# Altium PCB MainPCB.PcbDoc (part 1 of 3) (continued)
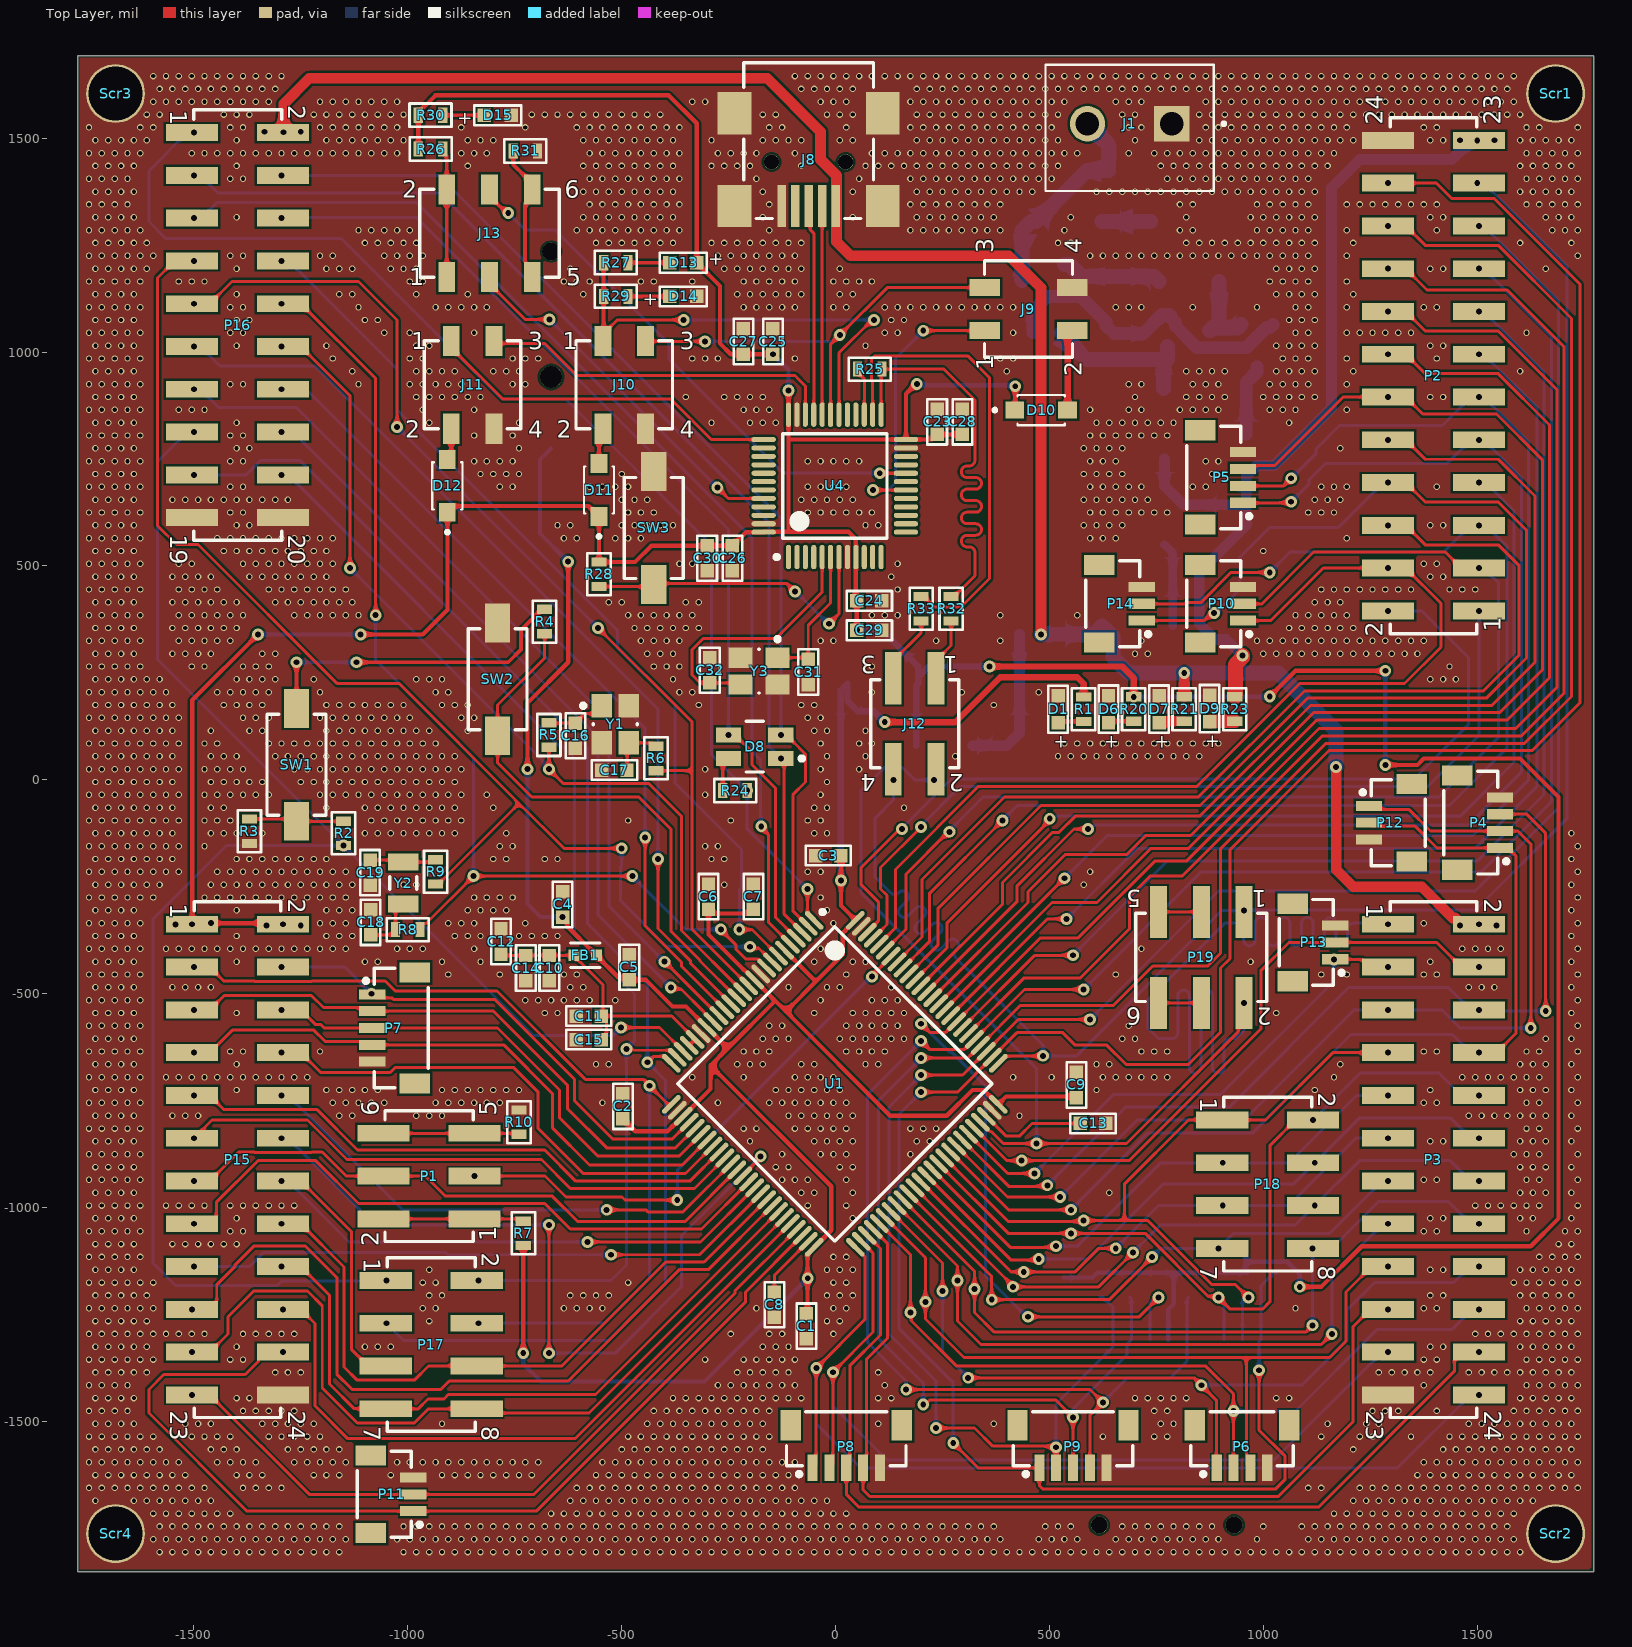
[diagram p0: Top Layer view]
## Components (designator, comment, footprint, x,y, rotation, side; value= is the part's Value field where it differs from the comment)
C1 "0106031010550" CAP_0603 -65,-1275 r90 top value=100pF
C2 "0106031010550" CAP_0603 -500,-765 r270 top value=100pF
C3 "0106031010550" CAP_0603 -15,-180 r0 top value=100pF
C4 "0106034751010" CAP_0603 -641,-293.06 r270 top value=4.7µF
C5 "0106031010550" CAP_0603 -485,-440 r270 top value=100pF
C6 "0106031010550" CAP_0603 -300,-275 r270 top value=100pF
C7 "0106031010550" CAP_0603 -195,-275 r270 top value=100pF
C8 "0106032251010" CAP_0603 -140,-1225 r90 top value=2.2µF
C9 "0106031030550" CAP_0603 560,-715 r270 top value=10nF
C10 "0106031030550" CAP_0603 -666,-438.06 r90 top value=10nF
C11 "0106031051035" CAP_0603 -575,-555 r0 top value=1µF
C12 "0106031010550" CAP_0603 -785,-380 r270 top value=100pF
C13 "0106032251010" CAP_0603 600,-800 r180 top value=2.2µF
C14 "0106031051035" CAP_0603 -721,-438.06 r90 top value=1µF
C15 "0106031010550" CAP_0603 -575,-610 r0 top value=100pF
C16 "0106031000550" CAP_0603 -605,105 r90 top value=20pF
C17 "0106031000550" CAP_0603 -515,20 r0 top value=20pF
C18 "0106031000550" CAP_0603 -1090,-335 r270 top value=6.8pF
C19 "0106031000550" CAP_0603 -1085,-215 r90 top value=6.8pF
C20 "0108051041050" CAP_0805 675,1425 r180 bottom value=100nF
C21 "0106031061010" CAP_0603 529.88,-1190.55 r90 bottom value=10µF
C22 "0106031010550" CAP_0603 985,-1098.27 r180 bottom value=100pF
C23 "0106031061010" CAP_0603 234.45,834.84 r270 top value=10µF
C24 "0106031041050" CAP_0603 76.97,421.46 r180 top value=100nF
C25 "0106031061010" CAP_0603 -149.41,1022.48 r270 top value=10µF
C26 "0106031041050" CAP_0603 -237.99,519.88 r90 top value=100nF
C27 "0106031061010" CAP_0603 -218.31,1022.48 r270 top value=10µF
C28 "0106031041050" CAP_0603 293.5,834.84 r270 top value=100nF
C29 "0106031051016" CAP_0603 76.97,352.56 r180 top value=1µF
C30 "0106031030550" CAP_0603 -297.05,519.88 r90 top value=10nF
C31 "0106031000550" CAP_0603 -60.83,254.13 r90 top value=10pF
C32 "0106031000550" CAP_0603 -297.05,254.13 r270 top value=10pF
D1 "160603RedClear" WL-SMCW_0603_H=0.7mm 520,165 r270 top value="Red, 2V"
D2 "SMAJ18A" DIOM4325X250N 540,1305 r0 bottom
D3 "ZMM18" SOD-80_MiniMELF_Glass 660,1110 r90 bottom value=Shottky-Diode
D4 "SMAJ18A" DIOM4325X250N 820,1305 r180 bottom
D5 "ZMM18" SOD-80_MiniMELF_Glass 700,915 r180 bottom value=Shottky-Diode
D6 "160603RedClear" WL-SMCW_0603_H=0.7mm 637.99,165.55 r270 top value="Red, 2V"
D7 "160603RedClear" WL-SMCW_0603_H=0.7mm 756.1,165.55 r270 top value="Red, 2V"
D8 "CMP-1431-00001-2" WL-SFTW_3528_150141M173100 -50188.98,-49922.44 r180 top
D9 "160603RedClear" WL-SMCW_0603_H=0.7mm 874.21,166.81 r270 top value="Red, 2V"
D10 "1N5819W" 1N5819W 480.51,864.37 r0 top
D11 "1N5819W" 1N5819W -552.95,677.36 r90 top
D12 "1N5819W" 1N5819W -907.28,687.2 r90 top
D13 "160603BlueClear" WL-SMCW_0603_H=0.7mm -356.1,1208.86 r0 top value="Blue, 3.2V"
D14 "160603WhiteBlur" WL-SMCW_0603_H=0.7mm -356.1,1130.12 r180 top value=White
D15 "160603RedBlur" WL-SMCW_0603_H=0.7mm -789.17,1553.35 r180 top value="Red, 2V"
F1 "MF-MSMF110/16-2" Fuse_SMD_1812 960,725 r270 bottom value="16V, 1.1A"
F2 "MF-MSMF050-2" Fuse_SMD_1812 705,360 r180 bottom value="15V, 0.5A"
F3 "MF-NSMF035-2" Fuse_SMD_1206 255,80 r180 bottom value="6V, 0.35A"
F4 "MINISMDC020F" Fuse_SMD_1812 110,225 r180 bottom value="30V, 0.2A"
FB1 "120R , 0805" FP-BLM18-0_15-t0_8-MFG -585,-410 r180 top
J1 "KF301-2P" HANDSON_KF301-2P 687.2,1533.66 r180 top
J2 "S8411-45R" HARWIN_S8411-45R -665,1088.35 r180 bottom
J3 "61032421821" 61032421821 1397.64,944.88 r90 bottom
J4 "61032421821" 61032421821 1397.64,-887.6 r270 bottom
J5 "MSD-4-A" CUI_MSD-4-A 736.57,-1613.78 r180 bottom
J6 "61032421821" 61032421821 -1397.64,-887.6 r270 bottom
J7 "61032021821" 61032021821 -1397.64,1062.99 r270 bottom
J8 "65100516121" 65100516121 -62.99,1494.29 r180 top value="Mini USB 2.0 Type B"
J9 "FEMALE,SMT" 61000421821 450.98,1100.59 r90 top
J10 "FEMALE,SMT" 61000421821 -493.9,923.43 r0 top
J11 "FEMALE,SMT" 61000421821 -848.23,923.43 r0 top
J12 "61030421121" 61030421121 185,131.3 r180 top
J13 "FEMALE,SMT" 61030621821 -808.86,1277.76 r0 top
P1 "MALE,SMT" 61030621121 -950.2,-926.1 r90 top
P2 "61002421121" 61002421121 1397.64,944.88 r90 top
P3 "61002421121" 61002421121 1397.64,-887.6 r270 top
P4 "665304124022" 665304124022 1485,-100 r90 top value="1A, 125 V (AC)"
P5 "665304124022" 665304124022 884.06,706.89 r90 top value="1A, 125 V (AC)"
P6 "665304124022" 665304124022 950,-1540 r0 top value="1A, 125 V (AC)"
P7 "665305124022" 665305124022 -1015,-580 r270 top value="1A, 125 V (AC)"
P8 "665305124022" 665305124022 25,-1540 r0 top value="1A, 125 V (AC)"
P9 "665305124022" 665305124022 555,-1540 r0 top value="1A, 125 V (AC)"
P10 "665303124022" 665303124022 884.06,411.61 r90 top value="1A, 125 V (AC)"
P11 "665303124022" 665303124022 -1055,-1670 r90 top value="1A, 125 V (AC)"
P12 "665303124022" 665303124022 1315,-100 r270 top value="1A, 125 V (AC)"
P13 "665303124022" 665303124022 1100,-380 r90 top value="1A, 125 V (AC)"
P14 "665303124022" 665303124022 647.83,411.61 r90 top value="1A, 125 V (AC)"
P15 "61002421121" 61002421121 -1397.64,-887.6 r270 top
P16 "61032021121" 61032021121 -1397.64,1062.99 r270 top
P17 "61030821121" 61030821121 -945,-1320 r270 top
P18 "61030821121" 61030821121 1010,-945 r270 top
P19 "61030621121" 61030621121 855,-415 r180 top
Q1 "AO3407A" SOT95P280X125-3N 485.59,1167.4 r180 bottom
Q2 "AO3407A" SOT95P280X125-3N 985,1015 r270 bottom
Q3 "AO3407A" SOT95P280X125-3N 825,1050 r0 bottom
R1 "0006031221" resistor_0603 580,165 r90 top value="1.2 KOhm, 1/4 W"
R2 "0006030001" resistor_0603 -1150,-125 r90 top value="0 Ohm, 1/4 W"
R3 "0006031031" resistor_0603 -1370,-120 r90 top value="10 KOhm, 1/4 W"
R4 "0006031031" resistor_0603 -680,370 r90 top value="10 KOhm, 1/4 W"
R5 "0006030001" resistor_0603 -670,105 r90 top value="0 Ohm, 1/4 W"
R6 "0006030001" resistor_0603 -420,50 r270 top value="0 Ohm, 1/4 W"
R7 "0006031031" resistor_0603 -730,-1060 r270 top value="10 KOhm, 1/4 W"
R8 "0006030001" resistor_0603 -1000,-350 r180 top value="0 Ohm, 1/4 W"
R9 "0006030001" resistor_0603 -935,-215 r270 top value="0 Ohm, 1/4 W"
R10 "0006031031" resistor_0603 -740,-800 r270 top value="10 KOhm, 1/4 W"
R11 "0008051031" RESISTOR_0805 495,1045 r180 bottom value="10 KOhm, 1/8 W"
R12 "0008051031" RESISTOR_0805 790,1165 r180 bottom value="10 KOhm, 1/8 W"
R13 "0008051031" RESISTOR_0805 930,1165 r180 bottom value="10 KOhm, 1/8 W"
R14 "0006031031" resistor_0603 687.36,-1180.71 r90 bottom value="10 KOhm, 1/4 W"
R15 "0006031031" resistor_0603 618.46,-1180.71 r90 bottom value="10 KOhm, 1/4 W"
R16 "0006031031" resistor_0603 962.95,-1180.71 r90 bottom value="10 KOhm, 1/4 W"
R17 "0006031031" resistor_0603 894.06,-1180.71 r90 bottom value="10 KOhm, 1/4 W"
R18 "0006031031" resistor_0603 756.26,-1180.71 r90 bottom value="10 KOhm, 1/4 W"
R19 "0006031031" resistor_0603 825.16,-1180.71 r90 bottom value="10 KOhm, 1/4 W"
R20 "0006031221" resistor_0603 697.05,165.55 r90 top value="1.2 KOhm, 1/4 W"
R21 "0006031221" resistor_0603 815.16,165.55 r90 top value="1.2 KOhm, 1/4 W"
R22 "0006031031" resistor_0603 1031.85,-1180.71 r90 bottom value="10 KOhm, 1/4 W"
R23 "0006031221" resistor_0603 933.27,165.55 r90 top value="1.2 KOhm, 1/4 W"
R24 "0006031221" resistor_0603 -235,-25 r180 top value="1.2 KOhm, 1/4 W"
R25 "0006031011" resistor_0603 80,960 r180 top value="100 Ohm, 1/4 W"
R26 "0006031031" resistor_0603 -946.65,1474.61 r180 top value="10 KOhm, 1/4 W"
R27 "0006031021" resistor_0603 -513.58,1208.86 r0 top value="1 KOhm, 1/4 W"
R28 "0006031031" resistor_0603 -552.95,480.51 r90 top value="10 KOhm, 1/4 W"
R29 "0006031021" resistor_0603 -513.58,1130.12 r0 top value="1 KOhm, 1/4 W"
R30 "0006031021" resistor_0603 -946.65,1553.35 r0 top value="1 KOhm, 1/4 W"
R31 "0006031031" resistor_0603 -725,1470 r180 top value="10 KOhm, 1/4 W"
R32 "0006032001" resistor_0603 270,400 r270 top value="20 Ohm, 1/4 W"
R33 "0006032001" resistor_0603 200,400 r270 top value="20 Ohm, 1/4 W"
Scr1 "MP3.2" MP3.2 1683.07,1604.33 r0 top
Scr2 "MP3.2" MP3.2 1683.07,-1761.81 r0 top
Scr3 "MP3.2" MP3.2 -1683.07,1604.33 r0 top
Scr4 "MP3.2" MP3.2 -1683.07,-1761.81 r0 top
SW1 "434111050826" WS-TASV_L6W3.5H5_4341x10508x6 -1260,35 r90 top
SW2 "434111050826" WS-TASV_L6W3.5H5_4341x10508x6 -790,235 r270 top
SW3 "434111050826" WS-TASV_L6W3.5H5_4341x10508x6 -425,588.78 r270 top
U1 "STM32F407VxTx" STM32F407VGTx -1.77,-710.43 r315 top value=STM32F407VGTx
U2 "L7805ACD2T_TO-263" TO-263 505,650 r180 bottom value="5V, 1.5A"
U3 "AMS1117-3.3V" "AMS1117-3.3V SOT223" 430,225 r270 bottom value="3.3V, 1A"
U4 "STM32F103C8T6" STM32F103C8T6 -1.77,687.2 r90 top
Y1 "25Mhz, 3225" FP-NX3225SA-MFG -515,130 r270 top
Y2 "32.7680Khz , 3215" FP-FC-135-MFG -1010.59,-241.26 r90 top
Y3 "8Mhz, 3225" FP-NX3225SA-MFG -178.94,254.13 r180 top

## Footprints (in the part's own frame and the unit in brackets; to place one, negate y for a bottom-side part, rotate by r counter-clockwise, add the part's x,y. Pads: shape width x height; smd on the part's side, far side on the other; paste and mask are expansions set on the pad)
1N5819W [mm]
  rect 1.12x0.99 smd: A(1.57,0) K(-1.57,0)
  silkscreen extent -2.85,-0.9 1.4,0.9, body extent -1.8,-0.9 1.8,0.9, height 1.1
61000421821 [mm] "Socket Header, Pitch 2.54 mm, SMT, Vertical, dual row, 4p"
  rect 1x1.8 smd: 1(-1.27,2.6) 2(-1.27,-2.6) 3(1.27,2.6) 4(1.27,-2.6)
  silkscreen extent -2.87,-2.62 2.87,2.62, body extent -2.54,-3.35 2.54,3.35, height 8.5
61002421121 [mm] "Pin Header, pitch 2.54 mm, SMD, Vertical, dual row, 24p"
  rect 1x3.1 smd: 1(-13.97,-2.7) 2(-13.97,2.7) 3(-11.43,-2.7) 4(-11.43,2.7) 5(-8.89,-2.7) 6(-8.89,2.7) 7(-6.35,-2.7) 8(-6.35,2.7) 9(-3.81,-2.7) 10(-3.81,2.7) 11(-1.27,-2.7) 12(-1.27,2.7) 13(1.27,-2.7) 14(1.27,2.7) 15(3.81,-2.7) 16(3.81,2.7) 17(6.35,-2.7) 18(6.35,2.7) 19(8.89,-2.7) 20(8.89,2.7) 21(11.43,-2.7) 22(11.43,2.7) 23(13.97,-2.7) 24(13.97,2.7)
  silkscreen extent -15.32,-2.56 15.32,2.57, body extent -15.24,-3.75 15.24,3.75, height 9.62
61030421121 [mm] "Pin Header, pitch 2.54 mm, SMD, Vertical, dual row, 4p"
  rect 1x3.1 smd: 1(-1.27,-2.7) 2(-1.27,2.7) 3(1.27,-2.7) 4(1.27,2.7)
  silkscreen extent -2.62,-2.62 2.62,2.62, body extent -2.54,-3.75 2.54,3.75, height 9.62
61030621121 [mm] "Pin Header, pitch 2.54 mm, SMD, Vertical, dual row, 6p"
  rect 1x3.1 smd: 1(-2.54,-2.7) 2(-2.54,2.7) 3(0,-2.7) 4(0,2.7) 5(2.54,-2.7) 6(2.54,2.7)
  silkscreen extent -3.89,-2.62 3.89,2.62, body extent -3.81,-3.75 3.81,3.75, height 9.62
61030621821 [mm] "Socket Header, Pitch 2.54 mm, SMT, Vertical, dual row, 6p"
  rect 1x1.8 smd: 1(-2.54,-2.6) 2(-2.54,2.6) 3(0,-2.6) 4(0,2.6) 5(2.54,-2.6) 6(2.54,2.6)
  silkscreen extent -4.14,-2.62 4.14,2.62, body extent -3.81,-3.35 3.81,3.35, height 8.52
61030821121 [mm] "Pin Header, pitch 2.54 mm, SMD, Vertical, dual row, 8p"
  rect 1x3.1 smd: 1(-3.81,-2.7) 2(-3.81,2.7) 3(-1.27,-2.7) 4(-1.27,2.7) 5(1.27,-2.7) 6(1.27,2.7) 7(3.81,-2.7) 8(3.81,2.7)
  silkscreen extent -5.16,-2.62 5.16,2.62, body extent -5.08,-3.75 5.08,3.75, height 9.62
61032021121 [mm] "Pin Header, pitch 2.54 mm, SMD, Vertical, dual row, 20p"
  rect 1x3.1 smd: 1(-11.43,-2.7) 2(-11.43,2.7) 3(-8.89,-2.7) 4(-8.89,2.7) 5(-6.35,-2.7) 6(-6.35,2.7) 7(-3.81,-2.7) 8(-3.81,2.7) 9(-1.27,-2.7) 10(-1.27,2.7) 11(1.27,-2.7) 12(1.27,2.7) 13(3.81,-2.7) 14(3.81,2.7) 15(6.35,-2.7) 16(6.35,2.7) 17(8.89,-2.7) 18(8.89,2.7) 19(11.43,-2.7) 20(11.43,2.7)
  silkscreen extent -12.78,-2.62 12.78,2.62, body extent -12.7,-3.75 12.7,3.75, height 9.62
61032021821 [mm] "Socket Header, Pitch 2.54 mm, SMT, Vertical, dual row, 20p"
  rect 1x1.8 smd: 1(-11.43,-2.6) 2(-11.43,2.6) 3(-8.89,-2.6) 4(-8.89,2.6) 5(-6.35,-2.6) 6(-6.35,2.6) 7(-3.81,-2.6) 8(-3.81,2.6) 9(-1.27,-2.6) 10(-1.27,2.6) 11(1.27,-2.6) 12(1.27,2.6) 13(3.81,-2.6) 14(3.81,2.6) 15(6.35,-2.6) 16(6.35,2.6) 17(8.89,-2.6) 18(8.89,2.6) 19(11.43,-2.6) 20(11.43,2.6)
  silkscreen extent -13.03,-2.62 13.03,2.62, body extent -12.7,-3.35 12.7,3.35, height 8.52
61032421821 [mm] "Socket Header, Pitch 2.54 mm, SMT, Vertical, dual row, 24p"
  rect 1x1.8 smd: 1(-13.97,-2.6) 2(-13.97,2.6) 3(-11.43,-2.6) 4(-11.43,2.6) 5(-8.89,-2.6) 6(-8.89,2.6) 7(-6.35,-2.6) 8(-6.35,2.6) 9(-3.81,-2.6) 10(-3.81,2.6) 11(-1.27,-2.6) 12(-1.27,2.6) 13(1.27,-2.6) 14(1.27,2.6) 15(3.81,-2.6) 16(3.81,2.6) 17(6.35,-2.6) 18(6.35,2.6) 19(8.89,-2.6) 20(8.89,2.6) 21(11.43,-2.6) 22(11.43,2.6) 23(13.97,-2.6) 24(13.97,2.6)
  silkscreen extent -15.57,-2.62 15.57,2.62, body extent -15.24,-3.35 15.24,3.35, height 8.52
65100516121 [mm] "Mini USB 2.0 Type B SMT Horizontal 5 Contacts"
  rect 0.5x2.5 smd: 1(-1.6,3.875) 2(-0.8,3.875) 3(0,3.875) 4(0.8,3.875) 5(1.6,3.875)
  round 0.9 hole 0.9 unplated: MH1(-2.2,1.275) MH2(2.2,1.275)
  rect 2x2.5 smd: Shell(-4.4,3.875) Shell(-4.4,-1.625) Shell(4.4,3.875) Shell(4.4,-1.625)
  silkscreen extent -3.85,-4.62 3.85,4.62, body extent -4.8,-4.62 4.8,4.63, height 3.92
665303124022 [mm] "1.00 mm SMT Male Vertical Shrouded Header, 3p"
  rect 0.6x1.55 smd: 1(-1,-1.725) 2(0,-1.725) 3(1,-1.725)
  rect 1.2x1.8 smd: MP1(-2.3,0.8) MP2(2.3,0.8)
  silkscreen extent -2.55,-2.23 2.55,1.6, body extent -2.5,-2.19 2.5,1.77, height 4.79
665304124022 [mm] "1.00 mm SMT Male Vertical Shrouded Header, 4p"
  rect 0.6x1.55 smd: 1(-1.5,-1.725) 2(-0.5,-1.725) 3(0.5,-1.725) 4(1.5,-1.725)
  rect 1.2x1.8 smd: MP1(-2.8,0.8) MP2(2.8,0.8)
  silkscreen extent -3.05,-2.23 3.05,1.6, body extent -3,-2.19 3,1.77, height 4.79
665305124022 [mm] "1.00 mm SMT Male Vertical Shrouded Header, 5p"
  rect 0.6x1.55 smd: 1(-2,-1.725) 2(-1,-1.725) 3(0,-1.725) 4(1,-1.725) 5(2,-1.725)
  rect 1.2x1.8 smd: MP1(-3.3,0.8) MP2(3.3,0.8)
  silkscreen extent -3.55,-2.22 3.55,1.6, body extent -3.5,-2.19 3.5,1.77, height 4.79
"AMS1117-3.3V SOT223" [mm] "SOT223, 4-Leads, Body 6.51x7.00mm, Pitch 2.29mm"
  rect 2.15x0.9 smd: 1(-2.93,2.29) 2(-2.93,0) 3(-2.93,-2.29)
  rect 2.15x3.25 smd: 4(2.93,0)
  silkscreen extent -3.05,-3.35 1.55,3.41, body extent -3.5,-3.35 3.5,3.35, height 1.8
CAP_0603 [mm]
  rect 0.8x0.8 smd: 1(-0.801,0.076) 2(0.699,0.076)
  silkscreen extent -1.4,-0.51 1.3,0.66, body extent -0.85,-0.32 0.75,0.48, height 0.8
CAP_0805 [mm]
  rect 0.9x1.3 smd: 1(-0.975,-0.025) 2(0.925,-0.025)
  silkscreen extent -1.63,-0.86 1.57,0.81, body extent -1.03,-0.65 0.97,0.6, height 0.6
CUI_MSD-4-A [mm]
  rect 0.7x1.6 smd: 1(2.25,7.75) 2(1.15,7.75) 3(0.05,7.75) 4(-1.05,7.75) 5(-2.15,7.75) 6(-3.25,7.75) 7(-4.35,7.75) 8(-5.45,7.75) CD(-6.55,7.75)
  rect 1.2x1.8 smd: G1(-7.75,6.45)
  rect 1.6x1.5 smd: G2(6.85,6.7)
  rect 1.2x2.2 smd: G3(-7.75,-2.85) G4(7.75,-2.85)
  round 1 hole 1 unplated: ""(-4.95,-3.25) ""(3.05,-3.25)
  silkscreen extent -7.37,-7.25 7.37,9.2, body extent -8.25,-7.62 7.9,7.43, height 1.8
DIOM4325X250N [mm]
  rect 2.12x1.5 smd: A(2.115,0) C(-2.115,0)
  silkscreen extent -4,-1.28 2.16,1.28, body extent -2.57,-1.28 2.57,1.28, height 2.5
FP-BLM18-0_15-t0_8-MFG [mm]
  rect 0.65x0.7 smd paste+0 mask+0: 1(-0.675,0) 2(0.675,0)
  silkscreen extent -0.87,-0.72 0.87,0.72, body extent -1.1,-0.58 1.1,0.58, height 0.25
FP-FC-135-MFG [mm]
  rect 1x1.8 smd paste+0 mask+0: 1(-1.25,0) 2(1.25,0)
  silkscreen extent -0.38,-0.8 0.38,0.8, body extent -1.85,-1 1.85,1, height 0.25
FP-NX3225SA-MFG [mm]
  rect 1.4x1.2 smd paste+0 mask+0: 1(-1.1,-0.8) 2(1.1,-0.8) 3(1.1,0.8) 4(-1.1,0.8)
  silkscreen extent -1.22,-2.02 0.03,1.3, body extent -1.9,-1.5 1.9,1.5, height 0.25
Fuse_SMD_1206 [mil] "Fuse SMD, size 1206"
  rect 20x80 smd: 0(-66,0) 1(66,0)
  silkscreen extent -85,-44 84,44, body extent -69,-36 69,36, height 20
Fuse_SMD_1812 [mil] "Fuse SMD, size 1812"
  rect 60x140 smd: 0(-83.41,0) 1(82,0)
  silkscreen extent -122,-78 121,79, body extent -93,-67 93,67, height 18
HANDSON_KF301-2P [mm]
  rect 2.1x2.1 hole 1.4: 1(-2.5,0)
  round 2.1 hole 1.4: 2(2.5,0)
  silkscreen extent -5.7,-3.5 5,4, body extent -5.6,-3.37 5,4.13, height 10.13
HARWIN_S8411-45R [mm]
  rect 2.3x4.5 smd: N(0,8.425) P(0,-7.975)
  round 1.3 hole 1.3 unplated: ""(0,-3.725)
  round 1.05 hole 1.05 unplated: ""(0,3.725)
  silkscreen extent -7.37,-10 7.37,6.96, body extent -7.37,-9.6 7.37,9.6, height 4.25
MP3.2 [mm]
  round 3.5 hole 3.2: 1(0,0)
  body extent -2.75,-2.75 2.74,2.75, height 2.98
resistor_0603 [mm]
  rect 0.55x0.9 smd: 1(-0.725,0) 2(0.725,0)
  silkscreen extent -1.25,-0.69 1.24,0.7, body extent -0.8,-0.45 0.8,0.45, height 0.5
RESISTOR_0805 [mm] "Chip Resistor, 2-Leads, Body 2,00x1,20mm, IPC Medium Density"
  rect 1.1x1.3 smd: 1(-0.85,0) 2(0.85,0)
  silkscreen extent -1.65,-0.9 1.65,0.9, body extent -1,-0.65 1,0.65, height 0.45
SOD-80_MiniMELF_Glass [mm]
  rrect25% 1.2x1.7 smd: A(1.7,0) K(-1.7,0)
  silkscreen extent -2.65,-1.2 2,1.2, body extent -1.76,-0.72 1.74,0.72, height 1.45
SOT95P280X125-3N [mm]
  rrect25% 1.21x0.59 smd: 1(-1.255,0.95) 2(-1.255,-0.95) 3(1.255,0)
  silkscreen extent -2.6,-1.56 0.9,1.56, body extent -1.4,-1.45 1.4,1.45, height 1.25
STM32F103C8T6 [mm] "TSQFP, 48-Leads, Body 7.00x7.00mm, Pitch 0.50mm, IPC Medium Density"
  oval 1.45x0.3 smd: 1(-4.225,2.75) 2(-4.225,2.25) 3(-4.225,1.75) 4(-4.225,1.25) 5(-4.225,0.75) 6(-4.225,0.25) 7(-4.225,-0.25) 8(-4.225,-0.75) 9(-4.225,-1.25) 10(-4.225,-1.75) 11(-4.225,-2.25) 12(-4.225,-2.75) 25(4.225,-2.75) 26(4.225,-2.25) 27(4.225,-1.75) 28(4.225,-1.25) 29(4.225,-0.75) 30(4.225,-0.25) 31(4.225,0.25) 32(4.225,0.75) 33(4.225,1.25) 34(4.225,1.75) 35(4.225,2.25) 36(4.225,2.75)
  oval 0.3x1.45 smd: 13(-2.75,-4.225) 14(-2.25,-4.225) 15(-1.75,-4.225) 16(-1.25,-4.225) 17(-0.75,-4.225) 18(-0.25,-4.225) 19(0.25,-4.225) 20(0.75,-4.225) 21(1.25,-4.225) 22(1.75,-4.225) 23(2.25,-4.225) 24(2.75,-4.225) 37(2.75,4.225) 38(2.25,4.225) 39(1.75,4.225) 40(1.25,4.225) 41(0.75,4.225) 42(0.25,4.225) 43(-0.25,4.225) 44(-0.75,4.225) 45(-1.25,4.225) 46(-1.75,4.225) 47(-2.25,4.225) 48(-2.75,4.225)
  silkscreen extent -4.35,-3.1 3.1,3.57, body extent -4.5,-4.5 4.5,4.5, height 1.6
STM32F407VGTx [mm] "TSQFP, 100-Leads, Body 14.00x14.00mm, Pitch 0.50mm, IPC Medium Density"
  oval 1.45x0.3 smd: 1(-7.725,6) 2(-7.725,5.5) 3(-7.725,5) 4(-7.725,4.5) 5(-7.725,4) 6(-7.725,3.5) 7(-7.725,3) 8(-7.725,2.5) 9(-7.725,2) 10(-7.725,1.5) 11(-7.725,1) 12(-7.725,0.5) 13(-7.725,0) 14(-7.725,-0.5) 15(-7.725,-1) 16(-7.725,-1.5) 17(-7.725,-2) 18(-7.725,-2.5) 19(-7.725,-3) 20(-7.725,-3.5) 21(-7.725,-4) 22(-7.725,-4.5) 23(-7.725,-5) 24(-7.725,-5.5) 25(-7.725,-6) 51(7.725,-6) 52(7.725,-5.5) 53(7.725,-5) 54(7.725,-4.5) 55(7.725,-4) 56(7.725,-3.5) 57(7.725,-3) 58(7.725,-2.5) 59(7.725,-2) 60(7.725,-1.5) 61(7.725,-1) 62(7.725,-0.5) 63(7.725,0) 64(7.725,0.5) 65(7.725,1) 66(7.725,1.5) 67(7.725,2) 68(7.725,2.5) 69(7.725,3) 70(7.725,3.5) 71(7.725,4) 72(7.725,4.5) 73(7.725,5) 74(7.725,5.5) 75(7.725,6)
  oval 0.3x1.45 smd: 26(-6,-7.725) 27(-5.5,-7.725) 28(-5,-7.725) 29(-4.5,-7.725) 30(-4,-7.725) 31(-3.5,-7.725) 32(-3,-7.725) 33(-2.5,-7.725) 34(-2,-7.725) 35(-1.5,-7.725) 36(-1,-7.725) 37(-0.5,-7.725) 38(0,-7.725) 39(0.5,-7.725) 40(1,-7.725) 41(1.5,-7.725) 42(2,-7.725) 43(2.5,-7.725) 44(3,-7.725) 45(3.5,-7.725) 46(4,-7.725) 47(4.5,-7.725) 48(5,-7.725) 49(5.5,-7.725) 50(6,-7.725) 76(6,7.725) 77(5.5,7.725) 78(5,7.725) 79(4.5,7.725) 80(4,7.725) 81(3.5,7.725) 82(3,7.725) 83(2.5,7.725) 84(2,7.725) 85(1.5,7.725) 86(1,7.725) 87(0.5,7.725) 88(0,7.725) 89(-0.5,7.725) 90(-1,7.725) 91(-1.5,7.725) 92(-2,7.725) 93(-2.5,7.725) 94(-3,7.725) 95(-3.5,7.725) 96(-4,7.725) 97(-4.5,7.725) 98(-5,7.725) 99(-5.5,7.725) 100(-6,7.725)
  silkscreen extent -7.85,-6.6 6.6,6.82, body extent -8,-8 8,8, height 1.6
TO-263 [mm] "D2PAK"
  rect 3.5x1.6 smd: 1(-6.7,2.54) 2(-6.7,-2.54)
  rect 9.75x12.2 smd paste-7: 3(3.575,0)
  silkscreen extent -6.48,-5 -2.51,5, body extent -7.71,-5.1 7.71,5.1, height 4.6
WL-SFTW_3528_150141M173100 [mm] "SMT Full-color TOP LED Waterclear, body 3.5x2.8mm"
  rect 1.5x0.9 smd: 1(-1268.45,-1269.3) 2(-1268.45,-1270.7) 3(-1271.55,-1269.3) 4(-1271.55,-1270.7)
  silkscreen extent -1272.93,-1271.5 -1269.5,-1268.5, body extent -1271.75,-1271.4 -1268.25,-1268.6, height 1.9
WL-SMCW_0603_H=0.7mm [mm] "SMD Mono-color Chip LED, body 1.6x0.8mm"
  rect 0.8x0.8 smd: 1(-0.8,0) 2(0.8,0)
  silkscreen extent -1.4,-0.58 1.4,0.58, body extent -0.8,-0.4 0.8,0.4, height 0.7
WS-TASV_L6W3.5H5_4341x10508x6 [mm] "SMD Tact Switch, body 6x3.5mm"
  rect 2.3x1.5 smd: 1(-3.35,0) 2(3.35,0)
  silkscreen extent -3,-1.75 3,1.75, body extent -4,-1.75 4,1.75, height 5

## Part data
C1 C2 C3 C5 C6 C7 C12 C15 C22: library part CMP-001-00209-1, "CAP, size 0603, 100 pF, 50 VDC", Manufacture Name=TDK, Manufacture SN=CGA3E2C0G1H101J080AA, Operating Temperature="-55 to +125degC", Tolerance=5%, Voltage Rating DC="50 VDC", Component Type=Standard, Design Item ID=0106031010550, Mounting Technology=SMT, Packaging="Tape and Reel", Pins=2, Size=0603, Source=Capacitor_0603_5_percent.SchLib, Supplier 1 Name=Mouser, Supplier 1 SN=810-CGA3E2C0G1H101J, Supplier 1 URL=https://www.mouser.com/ProductDetail/TDK/CGA3E2C0G1H101J080AA?qs=FxQuwy19cyBF0gUakpLdHA%3D%3D&utm_source=mouser-refine-download&utm_medium=file&utm_campaign=CGA3E2C0G1H101J080AA&utm_content=TDK, Supplier 2 Name=Digi-Key, Supplier 2 SN=445-5640-2-ND, Supplier 2 URL=https://www.digikey.com/en/products/detail/tdk-corporation/cga3e2c0g1h101j080aa/2443118, Supplier 3 Name=thegioiic, Supplier 3 SN=N/A, Supplier 3 URL=N/A
C4: library part CMP-001-00249-1, "CAP, size 0603, 4.7 uF, 10 VDC", Manufacture Name="Samsung Electro-Mechanics", Manufacture SN=CL10A475KP8NNWC, Operating Temperature="-55 to +125degC", Tolerance=10%, Voltage Rating DC="10 VDC", Component Type=Standard, Design Item ID=0106034751010, Mounting Technology=SMT, Packaging="Tape and Reel", Pins=2, Size=0603, Source=Capacitor_0603_10_percent.SchLib, Supplier 1 Name=Mouser, Supplier 1 SN=187-CL10A475KP8NNWC, Supplier 1 URL=https://www.mouser.vn/ProductDetail/Samsung-Electro-Mechanics/CL10A475KP8NNWC?qs=81r%252BiQLm7BQyXBb52PEUBA%3D%3D&utm_source=mouser-refine-download&utm_medium=file&utm_campaign=CL10A475KP8NNWC&utm_content=Samsung-Electro-Mechanics, Supplier 2 Name=Digi-Key, Supplier 2 SN=1276-CL10A475KP8NNWCTR-ND, Supplier 2 URL=https://www.digikey.com/en/products/detail/samsung-electro-mechanics/cl10a475kp8nnwc/16572736, Supplier 3 Name=thegioiic, Supplier 3 SN=N/A, Supplier 3 URL=https://www.thegioiic.com/tu-gom-0603-4-7uf-25v
C8 C13: library part CMP-001-00232-1, "CAP, size 0603, 2.2 uF, 10 VDC", Manufacture Name="Samsung Electro-Mechanics", Manufacture SN=CL10A225KP8NNWC, Operating Temperature="-55 to +125degC", Tolerance=10%, Voltage Rating DC="10 VDC", Component Type=Standard, Design Item ID=0106032251010, Mounting Technology=SMT, Packaging="Tape and Reel", Pins=2, Size=0603, Source=Capacitor_0603_10_percent.SchLib, Supplier 1 Name=Mouser, Supplier 1 SN=187-CL10A225KP8NNWC, Supplier 1 URL=https://www.mouser.vn/ProductDetail/Samsung-Electro-Mechanics/CL10A225KP8NNWC?qs=f6khj2Jg0Fj5oIVDjMV6rg%3D%3D&utm_source=mouser-refine-download&utm_medium=file&utm_campaign=CL10A225KP8NNWC&utm_content=Samsung-Electro-Mechanics, Supplier 2 Name=Digi-Key, Supplier 2 SN=1276-CL10A225KP8NNWCTR-ND, Supplier 2 URL=https://www.digikey.com/en/products/detail/samsung-electro-mechanics/cl10a225kp8nnwc/16572766, Supplier 3 Name=thegioiic, Supplier 3 SN=N/A, Supplier 3 URL=N/A
C9 C10 C30: library part CMP-001-00212-1, "CAP, size 0603, 10 nF, 50 VDC", Manufacture Name=TDK, Manufacture SN=CGA3E2C0G1H103J080AE, Operating Temperature="-55 to +125degC", Tolerance=5%, Voltage Rating DC="50 VDC", Component Type=Standard, Design Item ID=0106031030550, Mounting Technology=SMT, Packaging="Tape and Reel", Pins=2, Size=0603, Source=Capacitor_0603_5_percent.SchLib, Supplier 1 Name=Mouser, Supplier 1 SN=810-CGA3E2C0G1H103J8, Supplier 1 URL=https://www.mouser.com/ProductDetail/TDK/CGA3E2C0G1H103J080AE?qs=P1JMDcb91o6ZkMITrWTUZQ%3D%3D&utm_source=mouser-refine-download&utm_medium=file&utm_campaign=CGA3E2C0G1H103J080AE&utm_content=TDK, Supplier 2 Name=Digi-Key, Supplier 2 SN=445-CGA3E2C0G1H103J080AETR-ND, Supplier 2 URL=https://www.digikey.com/en/products/detail/tdk-corporation/cga3e2c0g1h103j080ae/11697946, Supplier 3 Name=thegioiic, Supplier 3 SN=N/A, Supplier 3 URL=N/A
C11 C14: library part CMP-001-00217-1, "CAP, size 0603, 1 uF, 35 VDC", Manufacture Name="Samsung Electro-Mechanics", Manufacture SN=CL10B105KL9VPJC, Operating Temperature="-55 to +125degC", Tolerance=10%, Voltage Rating DC="35 VDC", Component Type=Standard, Design Item ID=0106031051035, Mounting Technology=SMT, Packaging="Tape and Reel", Pins=2, Size=0603, Source=Capacitor_0603_10_percent.SchLib, Supplier 1 Name=Mouser, Supplier 1 SN=187-CL10B105KL9VPJC, Supplier 1 URL=https://www.mouser.vn/ProductDetail/Samsung-Electro-Mechanics/CL10B105KL9VPJC?qs=Jm2GQyTW%2Fbg7HPXOYntRzg%3D%3D&utm_source=mouser-refine-download&utm_medium=file&utm_campaign=CL10B105KL9VPJC&utm_content=Samsung-Electro-Mechanics, Supplier 2 Name=Digi-Key, Supplier 2 SN=N/A, Supplier 2 URL=N/A, Supplier 3 Name=thegioiic, Supplier 3 SN=N/A, Supplier 3 URL=N/A
C16 C17 C18 C19 C31 C32: library part CMP-001-00208-1, "CAP, size 0603, 10 pF, 50 VDC", Manufacture Name=TDK, Manufacture SN=CGA3E2NP01H100D080AA, Operating Temperature="-55 to +125degC", Tolerance=5%, Voltage Rating DC="50 VDC", Component Type=Standard, Design Item ID=0106031000550, Mounting Technology=SMT, Packaging="Tape and Reel", Pins=2, Size=0603, Source=Capacitor_0603_5_percent.SchLib, Supplier 1 Name=Mouser, Supplier 1 SN=810-CGA3E2NP01H100DA, Supplier 1 URL=https://www.mouser.com/ProductDetail/TDK/CGA3E2NP01H100D080AA?qs=xLDY6iXSiQYSDBjUp7bVxg%3D%3D&utm_source=mouser-refine-download&utm_medium=file&utm_campaign=CGA3E2NP01H100D080AA&utm_content=TDK, Supplier 2 Name=Digi-Key, Supplier 2 SN=445-12387-2-ND, Supplier 2 URL=https://www.digikey.com/en/products/detail/tdk-corporation/cga3e2np01h100d080aa/3949623, Supplier 3 Name=thegioiic, Supplier 3 SN=N/A, Supplier 3 URL=N/A
C20: library part CMP-001-00259-1, "CAP, size 0805, 0.1 nF, 50 VDC", Manufacture Name=TDK, Manufacture SN=CGA4J2X8R1H104K125AD, Operating Temperature="-55 to +125degC", Tolerance=10%, Voltage Rating DC="50 VDC", Component Type=Standard, Design Item ID=0108051041050, Mounting Technology=SMT, Packaging="Tape and Reel", Pins=2, Size=0805, Source=Capacitor_0805_10_percent.SchLib, Supplier 1 Name=Mouser, Supplier 1 SN=810-C2012X8R1H104KEP, Supplier 1 URL=https://www.mouser.vn/ProductDetail/TDK/CGA4J2X8R1H104K125AD?qs=LcTL%2F5vFEzExqZqv3rh1qQ%3D%3D&utm_source=mouser-refine-download&utm_medium=file&utm_campaign=CGA4J2X8R1H104K125AD&utm_content=TDK, Supplier 2 Name=Digi-Key, Supplier 2 SN=445-8810-2-ND, Supplier 2 URL=https://www.digikey.com/en/products/detail/tdk-corporation/cga4j2x8r1h104k125ad/3248169, Supplier 3 Name=thegioiic, Supplier 3 SN=OEM, Supplier 3 URL=N/A
C21 C23 C25 C27: library part CMP-001-00219-1, "CAP, size 0603, 10 uF, 10 VDC", Manufacture Name="Samsung Electro-Mechanics", Manufacture SN=CL10A106KP8NNWC, Operating Temperature="-55 to +125degC", Tolerance=10%, Voltage Rating DC="10 VDC", Component Type=Standard, Design Item ID=0106031061010, Mounting Technology=SMT, Packaging="Tape and Reel", Pins=2, Size=0603, Source=Capacitor_0603_10_percent.SchLib, Supplier 1 Name=Mouser, Supplier 1 SN=187-CL10A106KP8NNWC, Supplier 1 URL=https://www.mouser.vn/ProductDetail/Samsung-Electro-Mechanics/CL10A106KP8NNWC?qs=xZ%2FP%252Ba9zWqZx8LSX23YqWA%3D%3D&utm_source=mouser-refine-download&utm_medium=file&utm_campaign=CL10A106KP8NNWC&utm_content=Samsung-Electro-Mechanics, Supplier 2 Name=Digi-Key, Supplier 2 SN=1276-CL10A106KP8NNWCTR-ND, Supplier 2 URL=https://www.digikey.com/en/products/detail/samsung-electro-mechanics/cl10a106kp8nnwc/16572907, Supplier 3 Name=thegioiic, Supplier 3 SN=N/A, Supplier 3 URL=https://www.thegioiic.com/tu-gom-0603-10uf-25v
C24 C26 C28: library part CMP-001-00214-1, "CAP, size 0603, 100 nF, 50 VDC", Manufacture Name=TDK, Manufacture SN=CGA3E3X8R1H104K080AE, Operating Temperature="-55 to +125degC", Tolerance=10%, Voltage Rating DC="50 VDC", Component Type=Standard, Design Item ID=0106031041050, Mounting Technology=SMT, Packaging="Tape and Reel", Pins=2, Size=0603, Source=Capacitor_0603_10_percent.SchLib, Supplier 1 Name=Mouser, Supplier 1 SN=810-CGA3E3X8R1H104KA, Supplier 1 URL=https://www.mouser.com/ProductDetail/TDK/CGA3E3X8R1H104K080AE?qs=nQSIdc08i%252Bd8g3IRRgU2bw%3D%3D&utm_source=mouser-refine-download&utm_medium=file&utm_campaign=CGA3E3X8R1H104K080AE&utm_content=TDK, Supplier 2 Name=Digi-Key, Supplier 2 SN=445-173697-2-ND, Supplier 2 URL=https://www.digikey.com/en/products/detail/tdk-corporation/cga3e3x8r1h104k080ae/5809262, Supplier 3 Name=thegioiic, Supplier 3 SN=N/A, Supplier 3 URL=N/A
C29: library part CMP-001-00215-1, "CAP, size 0603, 1 uF, 16 VDC", Manufacture Name="Samsung Electro-Mechanics", Manufacture SN=CL10B105KO8NNWC, Operating Temperature="-55 to +125degC", Tolerance=10%, Voltage Rating DC="16 VDC", Component Type=Standard, Design Item ID=0106031051016, Mounting Technology=SMT, Packaging="Tape and Reel", Pins=2, Size=0603, Source=Capacitor_0603_10_percent.SchLib, Supplier 1 Name=Mouser, Supplier 1 SN=187-CL10B105KO8NNWC, Supplier 1 URL=https://www.mouser.vn/ProductDetail/Samsung-Electro-Mechanics/CL10B105KO8NNWC?qs=81r%252BiQLm7BT%252BXtc72qn1ug%3D%3D&utm_source=mouser-refine-download&utm_medium=file&utm_campaign=CL10B105KO8NNWC&utm_content=Samsung-Electro-Mechanics, Supplier 2 Name=Digi-Key, Supplier 2 SN=1276-CL10B105KO8NNWCTR-ND, Supplier 2 URL=https://www.digikey.com/en/products/detail/samsung-electro-mechanics/cl10b105ko8nnwc/16572783, Supplier 3 Name=thegioiic, Supplier 3 SN=N/A, Supplier 3 URL=https://www.thegioiic.com/tu-gom-0603-1uf-16v
D1 D6 D7 D9: library part CMP-004-00094-1, "WL-SMCW SMT Mono-color Chip LED Waterclear, size 0603, Red, 2V, 140deg", Color=Red, Component Type=Standard, ComponentLink1Description="Datasheet link", ComponentLink1URL=N/A, ComponentLink2Description="Supplier 1 URL", ComponentLink2URL=https://www.mouser.vn/ProductDetail/Wurth-Elektronik/150060RS75000?qs=LlUlMxKIyB3QnmZ3fw%2FVCA%3D%3D, ComponentLink3Description="Supplier 2 URL", ComponentLink3URL=https://www.digikey.com/en/products/detail/liteon/LTST-C191KRKT/386837, ComponentLink4Description="Supplier 3 URL", ComponentLink4URL=https://www.thegioiic.com/led-do-0603-dan-smd-trong-suot, Design Item ID=160603RedClear, Pins=2, Size=0603, Source=WL-SMCW_0603.SchLib, Supplier 1 Name=Mouser, Supplier 1 SN=710-150060RS75000, Supplier 1 URL=https://www.mouser.vn/ProductDetail/Wurth-Elektronik/150060RS75000?qs=LlUlMxKIyB3QnmZ3fw%2FVCA%3D%3D, Supplier 2 Name=Digi-Key, Supplier 2 SN=160-1447-2-ND, Supplier 2 URL=https://www.digikey.com/en/products/detail/liteon/LTST-C191KRKT/386837, Supplier 3 Name=ICDayRoi, Supplier 3 SN=N/A, Supplier 3 URL=https://www.thegioiic.com/led-do-0603-dan-smd-trong-suot, Type=Clear
D2 D4: library part CMP-004-00085-1, "400W, 21.1V, 5%, Unidirectional, TVS", Case/Package="SMA-2 Taiwan Semiconductor", Check_prices=https://www.snapeda.com/parts/SMAJ18A/taiwan/view-part/?ref=eda, Component Type=Standard, Design Item ID=SMAJ18A, MF="Taiwan Semiconductor", MP=SMAJ18A, Pins=2, SnapEDA_Link=https://www.snapeda.com/parts/SMAJ18A/taiwan/view-part/?ref=snap, Source=SMAJ18A.SchLib
D3 D5: library part CMP-004-00086-2, Component Type=Standard, Datasheet=https://diotec.com/de/produktliste/SBD.html, Design Item ID=Schottky-Diode, ki_description="Schottky Diode", ki_keywords=Schottky, Pins=2, Reference=D, Source=schottky-diode.SchLib
D8: library part CMP-004-00112-1, Case Code (Metric)=3528, Case/Package=1411, Color="Green, Red", Forward Current=100mA, Forward Voltage=3.2V, Max Operating Temperature=85°C, Max Reverse Voltage (DC)=5V, Min Operating Temperature=-40°C, Power Dissipation=72mW, Test Current=20mA, Component Type=Standard, Design Item ID=CMP-1431-00001-2, Dominant Wavelength=520nm, Height=1.9mm, Length=3.5mm, Lens Style="Clear, Round", Luminous Intensity=230mcd, Mount="Surface Mount", NexarPartId=29717795, Packaging="Tape and Reel", Peak Wavelength=465nm, Pin Count=4, Pins=4, REACH SVHC=Unknown, RoHS=Compliant, Source=rgb.SchLib, Viewing Angle=120°, Wavelength=470nm, Width=2.8mm
D10 D11 D12: library part CMP-004-00113-1, Component Type=Standard, Design Item ID=1N5819W, Pins=2, Source=1N5819W.SchLib
D13: library part CMP-004-00088-1, "WL-SMCW SMT Mono-color Chip LED Waterclear, size 0603, Blue, 3.2V, 140deg", Color=Blue, Component Type=Standard, ComponentLink1Description="Datasheet link", ComponentLink1URL=N/A, ComponentLink2Description="Supplier 1 URL", ComponentLink2URL=https://www.mouser.vn/ProductDetail/Wurth-Elektronik/150060BS75003?qs=Li%252BoUPsLEnu8LvIbM48DKA%3D%3D, ComponentLink3Description="Supplier 2 URL", ComponentLink3URL=https://www.digikey.com/en/products/detail/liteon/LTST-C191TBKT/388530, ComponentLink4Description="Supplier 3 URL", ComponentLink4URL=https://www.thegioiic.com/led-xanh-duong-0603-dan-smd-trong-suot, Design Item ID=160603BlueClear, Pins=2, Size=0603, Source=WL-SMCW_0603.SchLib, Supplier 1 Name=Mouser, Supplier 1 SN=710-150060GS75000, Supplier 1 URL=https://www.mouser.vn/ProductDetail/Wurth-Elektronik/150060BS75003?qs=Li%252BoUPsLEnu8LvIbM48DKA%3D%3D, Supplier 2 Name=Digi-Key, Supplier 2 SN=160-1647-2-ND, Supplier 2 URL=https://www.digikey.com/en/products/detail/liteon/LTST-C191TBKT/388530, Supplier 3 Name=ICDayRoi, Supplier 3 SN=N/A, Supplier 3 URL=https://www.thegioiic.com/led-xanh-duong-0603-dan-smd-trong-suot, Type=Clear
D14: library part CMP-004-00095-1, "WL-SMCW SMT Mono-color Chip LED Blur, size 0603, White", Color=White, Component Type=Standard, ComponentLink1Description="Datasheet link", ComponentLink1URL=N/A, ComponentLink2Description="Supplier 1 URL", ComponentLink2URL=https://www.mouser.vn/ProductDetail/ROHM-Semiconductor/SMLEN3WBC8W1?qs=W0yvOO0ixfGun78rr9Unsw%3D%3D, ComponentLink3Description="Supplier 2 URL", ComponentLink3URL=https://www.digikey.com/en/products/detail/qt-brightek-qtb/QBLP601-IW/4814655, ComponentLink4Description="Supplier 3 URL", ComponentLink4URL=N/A, Design Item ID=160603WhiteBlur, Pins=2, Size=0603, Source=WL-SMCW_0603.SchLib, Supplier 1 Name=Mouser, Supplier 1 SN=755-SMLEN3WBC8W1, Supplier 1 URL=https://www.mouser.vn/ProductDetail/ROHM-Semiconductor/SMLEN3WBC8W1?qs=W0yvOO0ixfGun78rr9Unsw%3D%3D, Supplier 2 Name=Digi-Key, Supplier 2 SN=1516-1057-2-ND, Supplier 2 URL=https://www.digikey.com/en/products/detail/qt-brightek-qtb/QBLP601-IW/4814655, Supplier 3 Name=ICDayRoi, Supplier 3 SN=N/A, Supplier 3 URL=N/A, Type=Blur
D15: library part CMP-004-00093-1, "WL-SMCW SMT Mono-color Chip LED Blur, size 0603, Red, 2V, 140deg", Color=Red, Component Type=Standard, ComponentLink1Description="Datasheet link", ComponentLink1URL=N/A, ComponentLink2Description="Supplier 1 URL", ComponentLink2URL=https://www.mouser.vn/ProductDetail/ROHM-Semiconductor/CSL1901VW1?qs=vvQtp7zwQdNmrXZcE27xEA%3D%3D, ComponentLink3Description="Supplier 2 URL", ComponentLink3URL=https://www.digikey.com/en/products/detail/rohm-semiconductor/SML-D12U8WT86/1641799, ComponentLink4Description="Supplier 3 URL", ComponentLink4URL=N/A, Design Item ID=160603RedBlur, Pins=2, Size=0603, Source=WL-SMCW_0603.SchLib, Supplier 1 Name=Mouser, Supplier 1 SN=755-CSL1901VW1, Supplier 1 URL=https://www.mouser.vn/ProductDetail/ROHM-Semiconductor/CSL1901VW1?qs=vvQtp7zwQdNmrXZcE27xEA%3D%3D, Supplier 2 Name=Digi-Key, Supplier 2 SN=511-1580-2-ND, Supplier 2 URL=https://www.digikey.com/en/products/detail/rohm-semiconductor/SML-D12U8WT86/1641799, Supplier 3 Name=ICDayRoi, Supplier 3 SN=N/A, Supplier 3 URL=N/A, Type=Blur
F1: library part CMP-005-00054-1, "Resettable Fuse, Size 1812, 16V, 1.1A", Hold Current=1.1A, Manufacturer=Bourns, Threshold Current=100A, Threshold Voltage=16V, Trip Current=2.2A, Component Type=Standard, ComponentLink1Description="Datasheet link", ComponentLink1URL=https://www.bourns.com/docs/Product-Datasheets/mfnsmf.pdf, ComponentLink2Description="Supplier 1 URL", ComponentLink2URL=https://www.mouser.vn/ProductDetail/Bourns/MF-MSMF110-16-2?qs=wksszfECgvir54ST3ixUHA%3D%3D, ComponentLink3Description="Supplier 2 URL", ComponentLink3URL=https://www.digikey.com/en/products/detail/bourns-inc/MF-MSMF110-16-2/662820, ComponentLink4Description="Supplier 3 URL", ComponentLink4URL=https://www.thegioiic.com/mf-msmf110-16-2-cau-chi-tu-phuc-hoi-1812-16v-1-1a, Design Item ID=061812110016, Mounting Technology=SMT/SMD, Pins=2, Size=1812, Source=Fuse_SMD.SchLib, Supplier 1 Name=Mouser, Supplier 1 SN=652-MF-MSMF110/16-2, Supplier 1 URL=https://www.mouser.vn/ProductDetail/Bourns/MF-MSMF110-16-2?qs=wksszfECgvir54ST3ixUHA%3D%3D, Supplier 2 Name=Digi-Key, Supplier 2 SN=MF-MSMF110/16-2TR-ND, Supplier 2 URL=https://www.mouser.vn/ProductDetail/Bourns/MF-MSMF110-16-2?qs=wksszfECgvir54ST3ixUHA%3D%3D, Supplier 3 Name=thegioiic, Supplier 3 SN=MF-MSMF110/16-2, Supplier 3 URL=https://www.thegioiic.com/mf-msmf110-16-2-cau-chi-tu-phuc-hoi-1812-16v-1-1a